# Altium PCB rv_ledbrick_8ch.PcbDoc (part 3 of 3)
Units mil, origin at the board's own origin, x right, y up, seen from the top; angles counter-clockwise.
Board outline 3346.46 x 3346.46 mil, 4 copper layers (Top Layer, Int1 (GND), Int2 (PWR), Bottom Layer), stack 53.912 mil thick; 212 components, 146 nets, 672 pads, 556 vias.
Unrouted connection lines stored in the file: 1.
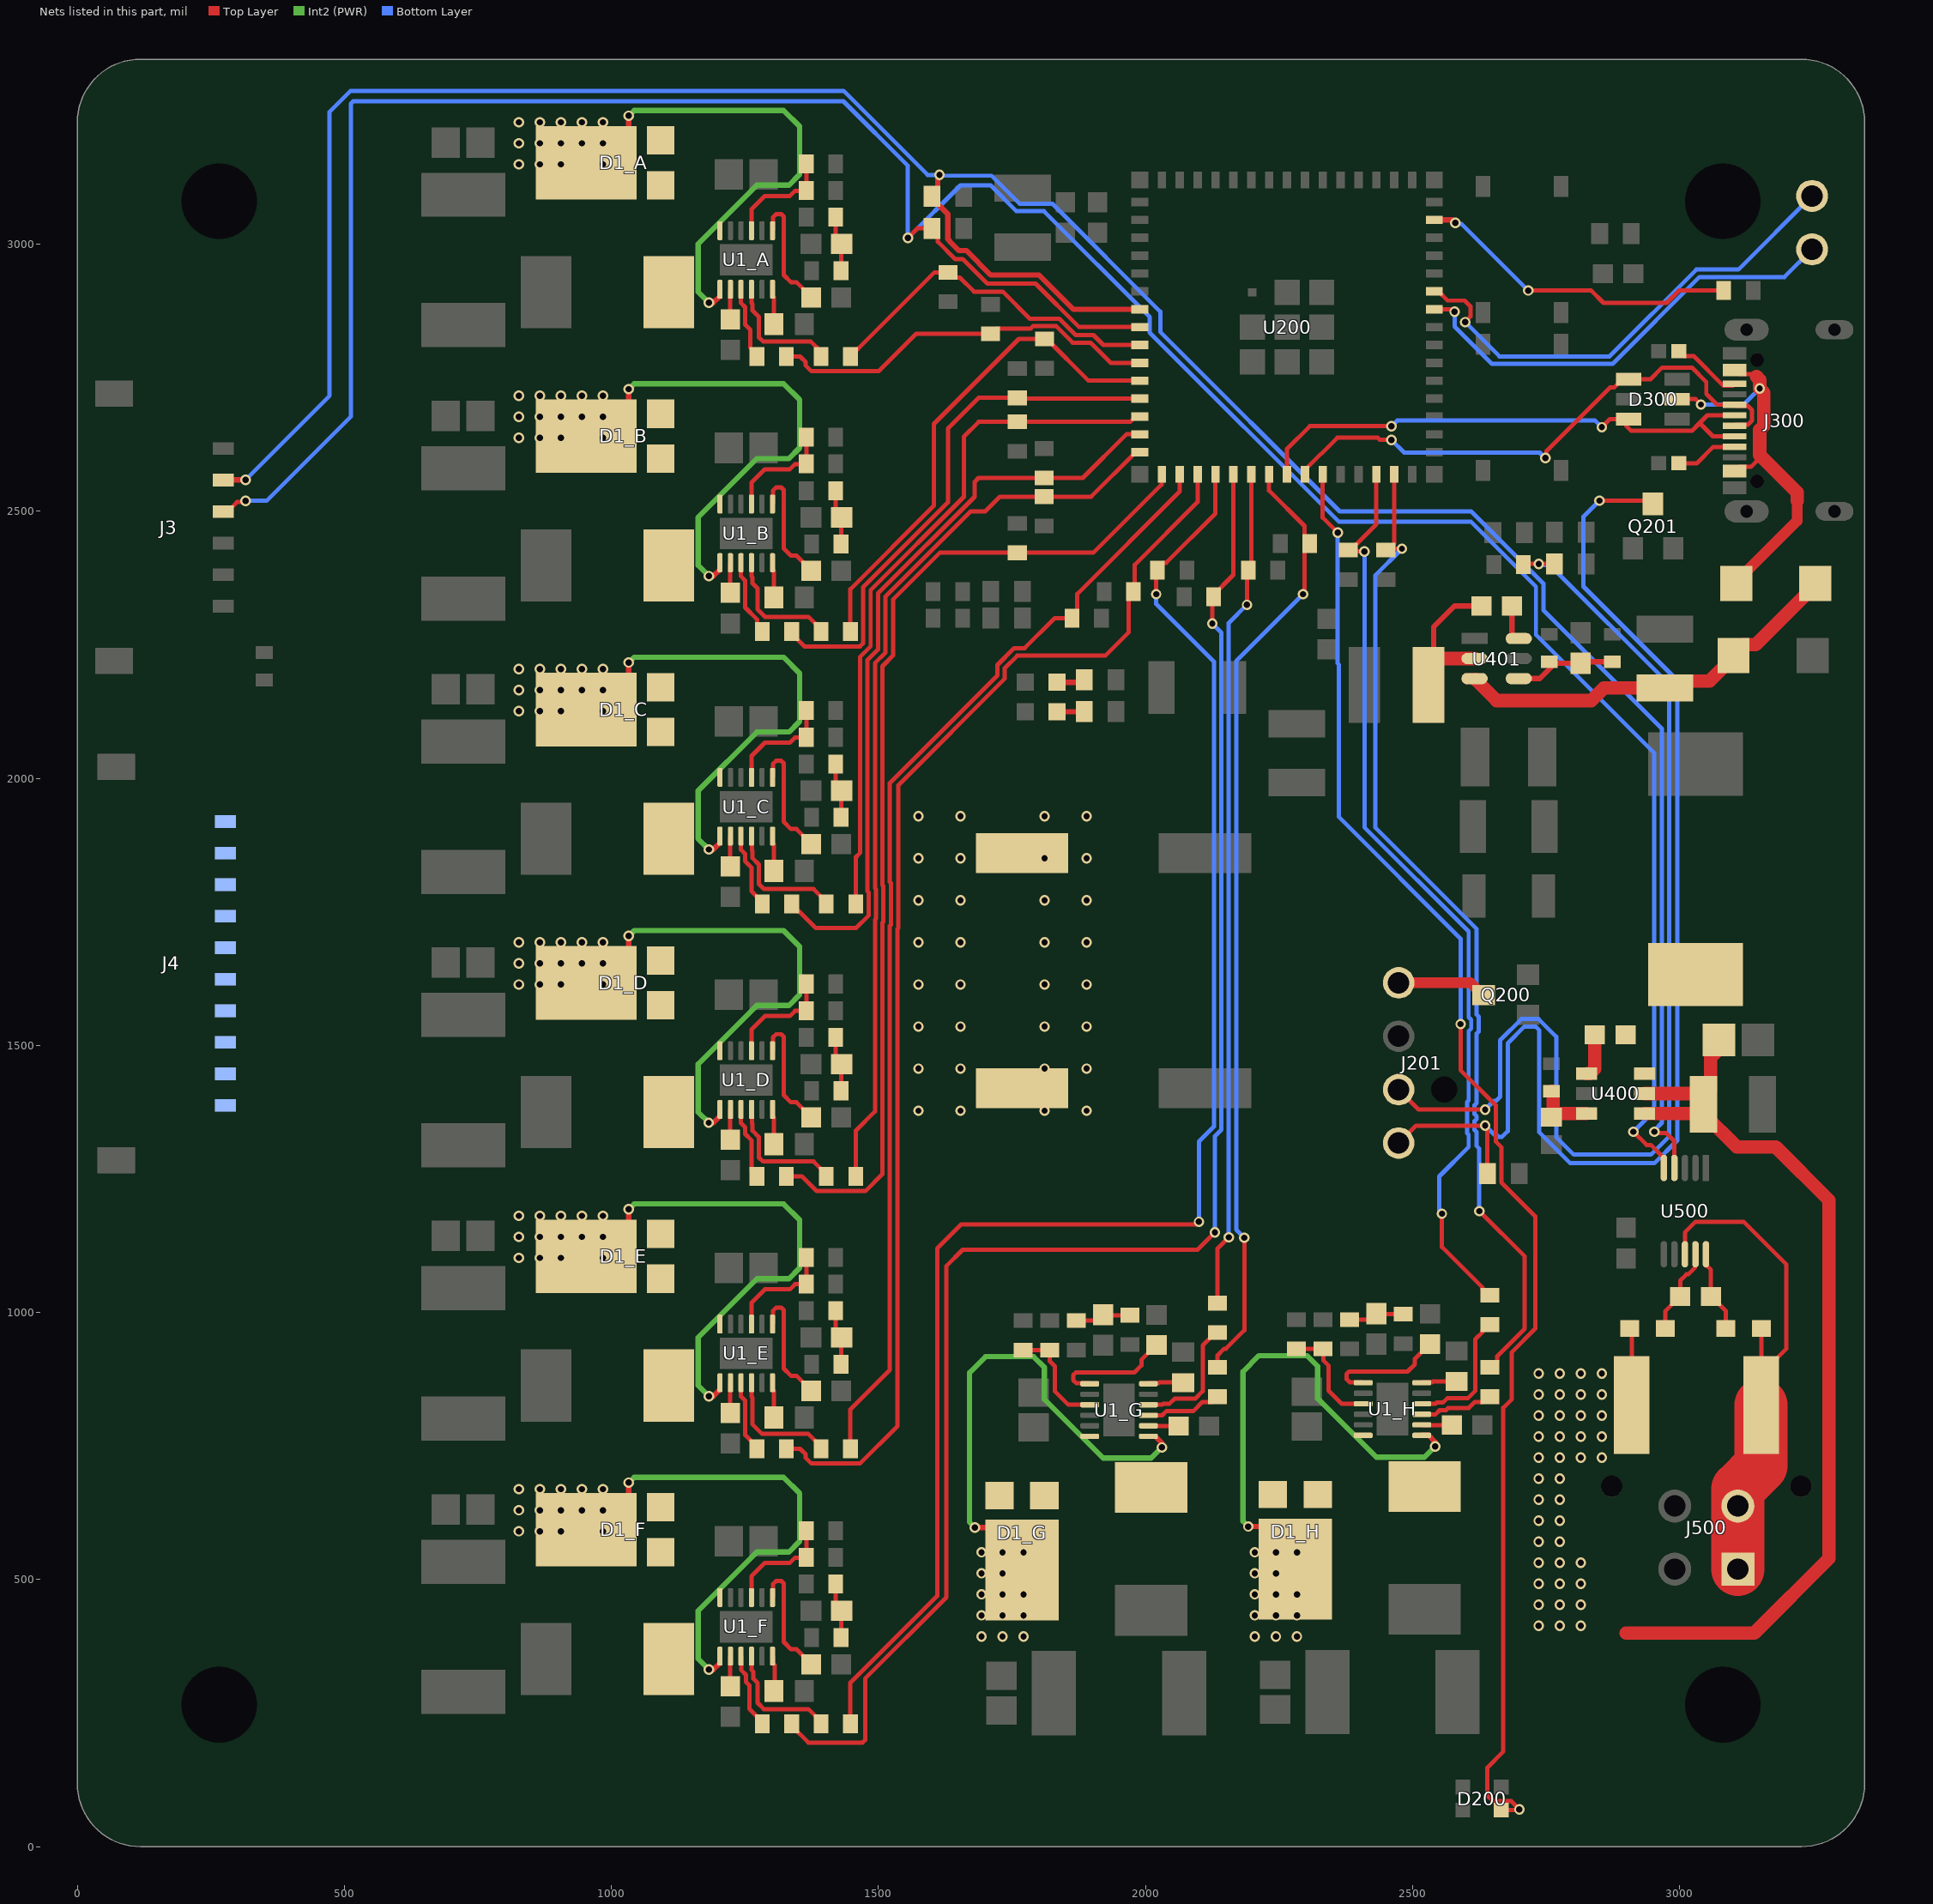
[diagram p5: the nets of this part, all layers, seen from the top]

## Via types
v1: diameter 19.68, hole 11.81, Top Layer to Bottom Layer, tented both sides, 556 vias

## Nets (pads, with @x,y where several pads share a name; then routed paths per layer and width w, separated by ;. In a path a pad name is that pad's centre, name@x,y a point inside that pad or via, vN(x,y) a via of type N, cw(c..) or ccw(c..) an arc to the next point about the centre after c; other vN are vias at no path point) (continued)
LEDAO1: R8_A.1 R200.2 U200.10 | length 740.5
  Top Layer w8: R8_A.1@1327.56,2790 1353.34,2790 1363.93,2779.41 1363.93,2772.87 1374.52,2762.28 1500.32,2762.28 1570.48,2832.44 R200.2@1710,2832.44 1719.78,2842.22 1784.77,2842.22 1789.16,2846.61 1832.88,2846.61 1863.54,2815.96 1896.87,2815.96 1934.8,2778.03 U200.10@1989.37,2778.03
LEDAO2: R8_B.1 R207.2 U200.12 | length 1001.3
  Top Layer w8: R8_B.1@1337.56,2275 1337.56,2271.06 1361.34,2247.28 1465.48,2247.28 1471.34,2253.14 1471.34,2358.26 1630,2516.93 1630,2655 1687.44,2712.44 R207.2@1760,2712.44 1761.34,2711.1 U200.12@1989.37,2711.1
LEDAO3: R8_C.1 R209.2 U200.14 | length 1416.3
  Top Layer w8: R8_C.1@1337.56,1765 1337.56,1761.06 1347.34,1751.28 1351.28,1751.28 1382.56,1720 1458.2,1720 1481.34,1743.14 1481.34,1786.86 1479.43,1788.76 1479.43,2221.64 1499.34,2241.54 1499.34,2346.67 1680,2527.33 1680,2555 1687.44,2562.44 R209.2@1810,2562.44 1882.44,2562.44 1964.17,2644.17 U200.14@1989.37,2644.17
LEDAO4: R8_D.1 R211.2 U200.16 | length 1901.6
  Top Layer w8: R8_D.1@1327.56,1255 1356.8,1255 1384.52,1227.28 1475.48,1227.28 1507.43,1259.24 1507.43,1729.64 1509.34,1731.54 1509.34,1798.46 1507.43,1800.36 1507.43,2210.04 1527.34,2229.95 1527.34,2335.07 1614.71,2422.44 R211.2@1760,2422.44 1902.44,2422.44 2030,2550 2030,2568.66 U200.16@2030.71,2569.37
LEDAO5: R8_E.1 R213.2 U200.18 | length 2363.8
  Top Layer w8: R8_E.1@1327.56,745 1353.34,745 1363.93,734.41 1363.93,727.87 1374.52,717.28 1465.48,717.28 1535.43,787.24 1535.43,1718.04 1537.34,1719.95 1537.34,1987.54 1736.69,2186.89 1736.69,2206.69 1759.84,2229.84 1924.84,2229.84 1968.66,2273.66 1968.66,2337.17 1980,2348.5 1980,2400 2097.64,2517.64 U200.18@2097.64,2569.37
LEDAO6: R8_F.1 R215.2 U200.20 | length 3083.3
  Top Layer w8: R8_F.1@1337.56,230 1337.56,226.06 1368.62,195 1470.31,195 1475,199.69 1475,314.68 1627.4,467.08 1627.4,1087.4 1657.6,1117.6 2097.6,1117.6 v1(2130,1150) ; v1(2125,2290) 2125,2341.38 2164.57,2380.94 U200.20@2164.57,2569.37
  Bottom Layer w8: v1(2125,2290) 2142,2273 2142,1342.2 2130,1330.2 v1(2130,1150)
LEDAO7: R8_G.1 R217.2 U200.22 | length 1789.1
  Top Layer w8: R8_G.1@2135,897.56 2135,920 2147.26,932.26 2150.46,932.26 2185,966.8 v1(2185,1140) ; U200.22@2231.5,2569.37 2231.5,2538.81 2297.78,2472.53 2297.78,2449.78 R217.2@2307.56,2440 2297.78,2430.22 2297.78,2349.88 2295,2347.1 v1(2295,2345)
  Bottom Layer w8: v1(2185,1140) 2170,1155 2170,2220 v1(2295,2345)
LEDAO8: R8_H.1 R219.2 U200.29 | length 1882.6
  Top Layer w8: R219.2@2450,2427.56 2453.94,2427.56 R219.2@2456.38,2430 ; U200.29@2465.75,2569.37 2465.75,2439.37 R219.2@2456.38,2430 ; v1(2480,2430) R219.2@2456.38,2430 ; v1(2625,1190) 2710,1105 2710,969.8 2658.72,918.52 2658.72,907.34 2648.94,897.56 R8_H.1@2645,897.56
  Bottom Layer w8: v1(2480,2430) 2430,2380 2430,1908.3 2620.16,1718.14 2620.16,1557.7 2623.84,1554.02 2623.84,1525.98 2620.16,1522.3 2620.16,1392.38 2616,1388.22 2616,1371.78 2620.16,1367.62 2620.16,1362.38 2616,1358.22 2616,1341.78 2620.16,1337.62 2620.16,1311.71 2625,1306.87 v1(2625,1190)
LEDPWM1: R9_A.1 R203.2 U200.9 | length 665.7
  Top Layer w8: R9_A.1@1447.56,2790 1447.56,2793.94 1457.34,2803.72 1461.28,2803.72 1605.12,2947.56 R203.2@1630,2947.56 1639.78,2937.78 1652.22,2937.78 1678.66,2911.34 1732.64,2911.34 1783.37,2860.61 1838.68,2860.61 1869.33,2829.96 1902.66,2829.96 1921.13,2811.5 U200.9@1989.37,2811.5
LEDPWM2: R9_B.1 R208.2 U200.11 | length 937.4
  Top Layer w8: R9_B.1@1447.56,2275 1447.56,2354.28 1603.78,2510.5 1603.78,2663.78 1762.83,2822.83 R208.2@1811.02,2822.83 1814.96,2822.83 1893.23,2744.57 U200.11@1989.37,2744.57
LEDPWM3: R9_C.1 R210.2 U200.13 | length 1303.8
  Top Layer w8: R9_C.1@1457.56,1765 1457.56,1852.47 1465.43,1860.35 1465.43,2227.44 1485.34,2247.34 1485.34,2352.47 1660,2527.13 1660,2640 1687.56,2667.56 R210.2@1760,2667.56 1971.42,2667.56 1981.5,2677.64 U200.13@1989.37,2677.64
LEDPWM4: R9_D.1 R212.2 U200.15 | length 1698.4
  Top Layer w8: R9_D.1@1457.56,1255 1457.56,1340.66 1493.43,1376.54 1493.43,1735.44 1495.34,1737.34 1495.34,1792.66 1493.43,1794.56 1493.43,2215.84 1513.34,2235.74 1513.34,2340.87 1672.47,2500 1700,2500 1727.56,2527.56 R212.2@1810,2527.56 1898.35,2527.56 1981.5,2610.71 U200.15@1989.37,2610.71
LEDPWM5: R9_E.1 R214.2 U200.17 | length 2112
  Top Layer w8: R9_E.1@1447.56,745 1447.56,818.85 1521.43,892.72 1521.43,1723.84 1523.34,1725.74 1523.34,1804.26 1521.43,1806.16 1521.43,1991.43 1722.69,2192.69 1722.69,2212.49 1754.04,2243.84 1773.84,2243.84 1830,2300 R214.2@1862.44,2300 1872.22,2309.78 1872.22,2345.42 2064.17,2537.37 U200.17@2064.17,2569.37
LEDPWM6: R9_F.1 R216.2 U200.19 | length 2973.9
  Top Layer w8: R9_F.1@1447.56,230 1447.56,307.04 1610,469.48 1610,1120 1655,1165 2095.31,1165 2100,1169.69 v1(2100,1170) ; v1(2020,2345) 2020,2387.56 R216.2@2022.44,2390 2022.44,2393.94 2032.22,2403.72 2038.99,2403.72 2131.1,2495.82 U200.19@2131.1,2569.37
  Bottom Layer w8: v1(2020,2345) 2020,2326.8 2128,2218.8 2128,1348 2100,1320 v1(2100,1170)
LEDPWM7: R9_G.1 R218.2 U200.21 | length 1577.9
  Top Layer w8: R9_G.1@2135,1017.56 2135,1120 2155.93,1140.93 v1(2155.93,1141) ; v1(2190,2325) 2190,2387.56 R218.2@2192.44,2390 2198.03,2395.59 U200.21@2198.03,2569.37
  Bottom Layer w8: v1(2155.93,1141) 2156,1141.07 2156,2291 v1(2190,2325)
LEDPWM8: R9_H.1 R220.2 U200.28 | length 1737.4
  Top Layer w8: R220.2@2380,2427.56 2383.94,2427.56 2432.28,2475.91 U200.28@2432.28,2569.37 ; R220.2@2382.56,2425 v1(2410,2425) ; v1(2555,1185) 2555,1122.56 2631.28,1046.28 2631.28,1042.34 2641.06,1032.56 R9_H.1@2645,1032.56
  Bottom Layer w8: v1(2410,2425) 2410,1908.5 2605,1713.5 2605,1553.06 2609.84,1548.22 2609.84,1531.78 2605,1526.94 2605,1397.02 2602,1394.02 2602,1335.98 2605,1332.98 2605,1310 2550,1255 2550,1190 v1(2555,1185)
NetC2_A_2: C2_A.2 U1_A.2 | length 60
  Top Layer w8: C2_A.2@1211.06,2860.63 1222.44,2872.01 1222.44,2915.24 U1_A.2@1222.91,2915.71
NetC2_B_2: C2_B.2 U1_B.2 | length 60
  Top Layer w8: C2_B.2@1211.06,2348.82 1222.44,2360.2 1222.44,2403.43 U1_B.2@1222.91,2403.9
NetC2_C_2: C2_C.2 U1_C.2 | length 60
  Top Layer w8: C2_C.2@1211.06,1837.01 1222.44,1848.39 1222.44,1891.61 U1_C.2@1222.91,1892.09
NetC2_D_2: C2_D.2 U1_D.2 | length 60
  Top Layer w8: C2_D.2@1211.06,1325.2 1222.44,1336.58 1222.44,1379.8 U1_D.2@1222.91,1380.28
NetC2_E_2: C2_E.2 U1_E.2 | length 60
  Top Layer w8: C2_E.2@1211.06,813.39 1222.44,824.76 1222.44,867.99 U1_E.2@1222.91,868.46
NetC2_F_2: C2_F.2 U1_F.2 | length 60
  Top Layer w8: C2_F.2@1211.06,301.57 1222.44,312.95 1222.44,356.18 U1_F.2@1222.91,356.65
NetC2_G_2: C2_G.2 U1_G.2 | length 60
  Top Layer w8: U1_G.2@2005.55,787.95 2006.02,787.48 2049.25,787.48 C2_G.2@2060.63,776.1
NetC2_H_2: C2_H.2 U1_H.2 | length 60
  Top Layer w8: U1_H.2@2517.36,789.84 2517.83,789.37 2561.06,789.37 C2_H.2@2572.44,777.99
NetC4_A_1: C4_A.1 R2_A.2 R3_A.2 | length 105
  Top Layer w8: R2_A.2@1420,3050.63 1420,3011.65 C4_A.1@1431.02,3000.63 1430,2999.61 R3_A.2@1430,2950.63
NetC4_B_1: C4_B.1 R2_B.2 R3_B.2 | length 105
  Top Layer w8: R2_B.2@1420,2538.82 1420,2499.84 C4_B.1@1431.02,2488.82 1430,2487.8 R3_B.2@1430,2438.82
NetC4_C_1: C4_C.1 R2_C.2 R3_C.2 | length 105
  Top Layer w8: R2_C.2@1420,2027.01 1420,1988.03 C4_C.1@1431.02,1977.01 1430,1975.99 R3_C.2@1430,1927.01
NetC4_D_1: C4_D.1 R2_D.2 R3_D.2 | length 105
  Top Layer w8: R2_D.2@1420,1515.2 1420,1476.22 C4_D.1@1431.02,1465.2 1430,1464.18 R3_D.2@1430,1415.2
NetC4_E_1: C4_E.1 R2_E.2 R3_E.2 | length 105
  Top Layer w8: R2_E.2@1420,1003.39 1420,964.4 C4_E.1@1431.02,953.39 1430,952.37 R3_E.2@1430,903.39
NetC4_F_1: C4_F.1 R2_F.2 R3_F.2 | length 105
  Top Layer w8: R2_F.2@1420,491.57 1420,452.59 C4_F.1@1431.02,441.57 1430,440.56 R3_F.2@1430,391.57
NetC4_G_1: C4_G.1 R2_G.2 R3_G.2 | length 105
  Top Layer w8: R2_G.2@1870.63,985.04 1909.61,985.04 C4_G.1@1920.63,996.06 1921.65,995.04 R3_G.2@1970.63,995.04
NetC4_H_1: C4_H.1 R2_H.2 R3_H.2 | length 105
  Top Layer w8: R2_H.2@2382.44,986.93 2421.42,986.93 C4_H.1@2432.44,997.95 2433.46,996.93 R3_H.2@2482.44,996.93
NetC401_1: C401.1 U400.1 | length 82.8
  Top Layer w25: U400.1@2825.87,1447.4 2832.36,1447.4 2841.38,1456.42 C401.1@2841.38,1520
NetC401_2: C401.2 L400.1 U400.6
NetC404_1: C404.1 U401.6 | length 70.8
  Top Layer w10: C404.1@2686.1,2322.83 2686.1,2266.87 2691.16,2261.81 U401.6@2698.83,2261.81
NetC404_2: C404.2 L401.1 U401.2 | length 237.1
  Top Layer w10: L401.1@2547.07,2224.41 2539.37,2232.11 2539.37,2283.46 2578.74,2322.83 C404.2@2628.86,2322.83
  Top Layer w25: L401.1@2547.07,2224.41 U401.2@2616.13,2224.41
NetC408_2: C408.2 R401.1 R403.2 U401.4 | length 188.2
  Top Layer w10: U401.4@2698.83,2187.01 2738.19,2187.01 2766.7,2215.52 C408.2@2814.96,2215.52 2817.95,2218.5 R403.2@2874.02,2218.5
NetC410_2: C410.2 D400.K D401.K U401.3 | length 762.9
  Top Layer w20: U401.3@2601.73,2186.57 2602.17,2187.01 U401.3@2616.13,2187.01
  Top Layer w25: U401.3@2618.11,2185.04 2657.48,2145.67 2834.65,2145.67 2858.27,2169.29 C410.2@2972.44,2169.29 2985.53,2182.38 3056.38,2182.38 3101,2227 D401.K@3101,2230 3101,2233 3118.5,2250.5 3142.5,2250.5 3254,2362 D400.K@3254,2365
NetC501_1: C501.1 R500.2 U500.10 | length 155.2
  Top Layer w8: U500.10@3049.37,1109.26 3049.37,1089.51 3058.62,1080.26 C501.1@3058.62,1030 3059.53,1030 3086.54,1002.99 R500.2@3086.54,970
NetC501_2: C501.2 R502.2 U500.9 | length 165.1
  Top Layer w8: R502.2@2973.46,970 2973.46,1002.99 3000.47,1030 C501.2@3001.38,1030 3001.38,1059.96 3013,1071.58 3016.4,1071.58 3028.86,1084.04 3028.86,1108.43 U500.9@3029.69,1109.26
NetD1_A_1: D1_A.1 D1_A.2 L1_A.1 U1_A.12
NetD1_B_1: D1_B.1 D1_B.2 L1_B.1 U1_B.12
NetD1_C_1: D1_C.1 D1_C.2 L1_C.1 U1_C.12
NetD1_D_1: D1_D.1 D1_D.2 L1_D.1 U1_D.12
NetD1_E_1: D1_E.1 D1_E.2 L1_E.1 U1_E.12
NetD1_F_1: D1_F.1 D1_F.2 L1_F.1 U1_F.12
NetD1_G_1: D1_G.1 D1_G.2 L1_G.1 U1_G.12
NetD1_H_1: D1_H.1 D1_H.2 L1_H.1 U1_H.12
NetJ201_1: J201.1 Q200.3 | length 168.6
  Top Layer w20: J201.1@2474.02,1617.32 2608.33,1617.32 2631.17,1594.49 Q200.3@2633.17,1594.49
NetJ201_3: J201.3 R221.1 R224.2 | length 2128.8
  Top Layer w8: J201.3@2474.02,1417.32 2511.34,1380 v1(2635.84,1380) ; R224.2@2704.72,2401.57 2735.24,2401.57 R221.1@2765.75,2401.57
  Bottom Layer w8: v1(2635.84,1380) 2652.04,1396.19 2656.19,1396.19 2664.17,1404.17 2664.17,1509.87 2703.73,1549.43 2736.16,1549.43 2769.03,1516.56 2769.03,1328.4 2801.9,1295.53 2946.13,1295.53 2980.76,1330.16 2980.76,2175.94 2757.35,2399.34 2738.52,2399.34 v1(2736.29,2401.57)
NetJ201_4: J201.4 Q201.3 R230.1 | length 2441
  Top Layer w8: J201.4@2474.02,1317.32 2506.69,1350 2640,1350 2640,1260.47 R230.1@2640.47,1260 ; v1(2850,2520) 2944,2520 Q201.3@2950,2514
  Bottom Layer w8: v1(2635.84,1350) 2652.04,1333.81 2656.19,1333.81 2660.98,1329.02 2667.61,1329.02 2678.17,1339.58 2678.17,1504.07 2709.53,1535.43 2730.36,1535.43 2737.38,1528.42 2737.38,1337.43 2795.28,1279.53 2952.76,1279.53 2995.76,1322.53 2995.76,2183.56 2820,2359.32 2820,2490 v1(2850,2520)
NetJ300_A5: J300.A5 R300.2 | length 116.9
  Top Layer w8: R300.2@2998.84,2590 3032.3,2590 3063.08,2620.79 J300.A5@3102.99,2620.79
NetJ300_B5: J300.B5 R301.2 | length 128
  Top Layer w8: R301.2@2998.84,2800 3008.08,2790.76 3026.64,2790.76 3082.28,2735.12 J300.B5@3100,2735.12
NetJ500_1: J500.1 J500.3 R500.1 R501.2 U500.8 | length 964.5
  Top Layer w8: U500.8@3010,1109.26 3010,1150 3030,1170 3120,1170 3200,1090 3200,932.28 R501.2@3153.46,885.75 ; R501.2@3152.56,826.77 3152.56,884.84 R501.2@3153.46,885.75 ; R500.1@3153.46,970 R501.2@3153.46,885.75
  Top Layer w50: J500.3@3109.06,637.72 J500.3@3109.06,640.91
  Top Layer w100: J500.1@3109.06,519.61 J500.3@3109.06,637.72 ; J500.3@3109.06,640.91 3109.06,669.64 3152.56,713.14 R501.2@3152.56,826.77
NetLED200_A: LED200.A R205.1 | length 53
  Top Layer w10: LED200.A@1834.53,2180 1880.47,2180 R205.1@1885.47,2185
NetLED201_A: LED201.A R206.1 | length 50.9
  Top Layer w10: LED201.A@1834.53,2125 R206.1@1885.47,2125
NetR5_A_2: R5_A.2 U1_A.7 | length 228.8
  Top Layer w8: U1_A.7@1301.65,3025.55 1302.44,3026.34 1302.44,3050.63 1308.44,3056.63 1317.91,3056.63 1322.6,3051.94 1322.6,2942.41 1336.02,2928.99 1346.45,2928.99 1374.28,2901.16 R5_A.2@1374.28,2900.63
NetR5_B_2: R5_B.2 U1_B.7 | length 228.8
  Top Layer w8: U1_B.7@1301.65,2513.74 1302.44,2514.53 1302.44,2538.82 1308.44,2544.82 1317.91,2544.82 1322.6,2540.13 1322.6,2430.6 1336.02,2417.18 1346.45,2417.18 1374.28,2389.35 R5_B.2@1374.28,2388.82
NetR5_C_2: R5_C.2 U1_C.7 | length 228.8
  Top Layer w8: U1_C.7@1301.65,2001.93 1302.44,2002.72 1302.44,2027.01 1308.44,2033.01 1317.91,2033.01 1322.6,2028.32 1322.6,1918.79 1336.02,1905.37 1346.45,1905.37 1374.28,1877.54 R5_C.2@1374.28,1877.01
NetR5_D_2: R5_D.2 U1_D.7 | length 228.8
  Top Layer w8: U1_D.7@1301.65,1490.12 1302.44,1490.91 1302.44,1515.2 1308.44,1521.2 1317.91,1521.2 1322.6,1516.51 1322.6,1406.98 1336.02,1393.56 1346.45,1393.56 1374.28,1365.73 R5_D.2@1374.28,1365.2
NetR5_E_2: R5_E.2 U1_E.7 | length 228.8
  Top Layer w8: U1_E.7@1301.65,978.31 1302.44,979.09 1302.44,1003.39 1308.44,1009.39 1317.91,1009.39 1322.6,1004.7 1322.6,895.17 1336.02,881.75 1346.45,881.75 1374.28,853.92 R5_E.2@1374.28,853.39
NetR5_F_2: R5_F.2 U1_F.7 | length 228.8
  Top Layer w8: U1_F.7@1301.65,466.5 1302.44,467.28 1302.44,491.57 1308.44,497.57 1317.91,497.57 1322.6,492.89 1322.6,383.36 1336.02,369.94 1346.45,369.94 1374.28,342.11 R5_F.2@1374.28,341.57
NetR5_G_2: R5_G.2 U1_G.7 | length 228.8
  Top Layer w8: U1_G.7@1895.71,866.69 1894.92,867.48 1870.63,867.48 1864.63,873.48 1864.63,882.95 1869.32,887.64 1978.85,887.64 1992.27,901.06 1992.27,911.49 2020.1,939.32 R5_G.2@2020.63,939.32
NetR5_H_2: R5_H.2 U1_H.7 | length 228.8
  Top Layer w8: U1_H.7@2407.52,868.58 2406.73,869.37 2382.44,869.37 2376.44,875.37 2376.44,884.84 2381.13,889.53 2490.66,889.53 2504.08,902.95 2504.08,913.38 2531.91,941.21 R5_H.2@2532.44,941.21
NetR6_A_2: R6_A.2 U1_A.6 | length 66.2
  Top Layer w8: U1_A.6@1301.65,2915.71 1301.65,2902.91 1304.08,2900.49 1304.08,2850.81 R6_A.2@1303.9,2850.63
NetR6_B_2: R6_B.2 U1_B.6 | length 66.2
  Top Layer w8: U1_B.6@1301.65,2403.9 1301.65,2391.1 1304.08,2388.67 1304.08,2339 R6_B.2@1303.9,2338.82
NetR6_C_2: R6_C.2 U1_C.6 | length 66.2
  Top Layer w8: U1_C.6@1301.65,1892.09 1301.65,1879.29 1304.08,1876.86 1304.08,1827.19 R6_C.2@1303.9,1827.01
NetR6_D_2: R6_D.2 U1_D.6 | length 66.2
  Top Layer w8: U1_D.6@1301.65,1380.28 1301.65,1367.48 1304.08,1365.05 1304.08,1315.38 R6_D.2@1303.9,1315.2
NetR6_E_2: R6_E.2 U1_E.6 | length 66.2
  Top Layer w8: U1_E.6@1301.65,868.46 1301.65,855.67 1304.08,853.24 1304.08,803.57 R6_E.2@1303.9,803.39
NetR6_F_2: R6_F.2 U1_F.6 | length 67.4
  Top Layer w8: U1_F.6@1301.65,356.65 1302.57,355.73 1302.57,342.94 1305.57,339.94 1305.57,293.25 R6_F.2@1303.9,291.57
NetR6_G_2: R6_G.2 U1_G.6 | length 66.2
  Top Layer w8: U1_G.6@2005.55,866.69 2006.47,867.61 2024.51,867.61 2026.02,869.12 2070.45,869.12 R6_G.2@2070.63,868.94
NetR6_H_2: R6_H.2 U1_H.6 | length 66.2
  Top Layer w8: U1_H.6@2517.36,868.58 2518.28,869.5 2536.32,869.5 2537.83,871.01 2582.26,871.01 R6_H.2@2582.44,870.83
NetR8_A_2: R8_A.2 U1_A.3 | length 132.6
  Top Layer w8: U1_A.3@1242.6,2915.71 1242.6,2890.05 1250.4,2882.26 1250.4,2849.6 1260,2840 1260,2806.38 R8_A.2@1271.38,2795
NetR8_B_2: R8_B.2 U1_B.3 | length 145.4
  Top Layer w8: U1_B.3@1242.6,2403.9 1242.6,2378.24 1250.4,2370.44 1250.4,2319.99 1272.66,2297.73 1272.66,2284.78 R8_B.2@1282.44,2275
NetR8_C_2: R8_C.2 U1_C.3 | length 143.6
  Top Layer w8: U1_C.3@1242.6,1892.09 1242.6,1866.43 1250.4,1858.63 1250.4,1844.91 1262.18,1833.13 1262.18,1789.2 1282.44,1768.94 R8_C.2@1282.44,1765
NetR8_D_2: R8_D.2 U1_D.3 | length 137.6
  Top Layer w8: U1_D.3@1242.6,1380.28 1242.6,1354.62 1250.4,1346.82 1250.4,1334.53 1262.18,1322.74 1262.18,1284.59 1262.66,1284.11 1262.66,1264.78 R8_D.2@1272.44,1255
NetR8_E_2: R8_E.2 U1_E.3 | length 135.8
  Top Layer w8: U1_E.3@1242.6,868.46 1242.6,842.81 1250.4,835.01 1250.4,770.98 1272.44,748.94 R8_E.2@1272.44,745
NetR8_F_2: R8_F.2 U1_F.3 | length 143.2
  Top Layer w8: U1_F.3@1242.6,356.65 1243.52,355.73 1243.52,330.08 1251.9,321.7 1251.9,308.5 1258.09,302.31 1258.09,258.29 1282.44,233.94 R8_F.2@1282.44,230
NetR8_G_2: R8_G.2 U1_G.3 | length 143.9
  Top Layer w8: U1_G.3@2005.55,807.64 2031.21,807.64 2039,815.44 2089.46,815.44 2106.68,832.66 2125.22,832.66 R8_G.2@2135,842.44
NetR8_H_2: R8_H.2 U1_H.3 | length 141.3
  Top Layer w8: U1_H.3@2517.36,809.53 2543.02,809.53 2550.82,817.33 2562.58,817.33 2566.35,821.09 2605.04,821.09 2616.6,832.66 2631.28,832.66 2641.06,842.44 R8_H.2@2645,842.44
NetR9_A_2: R9_A.2 U1_A.4 | length 227
  Top Layer w8: U1_A.4@1262.28,2915.71 1262.28,2890.17 1264.4,2888.05 1264.4,2875.8 1276.18,2864.02 1276.18,2825.82 1284.28,2817.72 1373.66,2817.72 1392.44,2798.94 R9_A.2@1392.44,2795
NetR9_B_2: R9_B.2 U1_B.4 | length 230.4
  Top Layer w8: U1_B.4@1262.28,2403.9 1262.28,2378.36 1264.4,2376.24 1264.4,2365 1273.6,2355.8 1273.6,2316.59 1287.47,2302.72 1368.66,2302.72 1392.44,2278.94 R9_B.2@1392.44,2275
NetR9_C_2: R9_C.2 U1_C.4 | length 239.6
  Top Layer w8: U1_C.4@1262.28,1892.09 1263.2,1891.17 1263.2,1865.62 1264.4,1864.43 1264.4,1850.71 1276.18,1838.93 1276.18,1802.2 1285.66,1792.72 1378.66,1792.72 1402.44,1768.94 R9_C.2@1402.44,1765
NetR9_D_2: R9_D.2 U1_D.4 | length 238.9
  Top Layer w8: U1_D.4@1262.28,1380.28 1263.2,1379.35 1263.2,1353.81 1264.4,1352.62 1264.4,1340.33 1276.18,1328.54 1276.18,1290.39 1283.85,1282.72 1378.66,1282.72 1402.44,1258.94 R9_D.2@1402.44,1255
NetR9_E_2: R9_E.2 U1_E.4 | length 228.1
  Top Layer w8: U1_E.4@1262.28,868.46 1262.28,842.92 1264.4,840.81 1264.4,790.36 1282.04,772.72 1368.66,772.72 1392.44,748.94 R9_E.2@1392.44,745
NetR9_F_2: R9_F.2 U1_F.4 | length 229.4
  Top Layer w8: U1_F.4@1262.28,356.65 1262.28,331.11 1265.9,327.5 1265.9,314.3 1273.6,306.6 1273.6,269.35 1285.23,257.72 1368.66,257.72 1392.44,233.94 R9_F.2@1392.44,230
NetR9_G_2: R9_G.2 U1_G.4 | length 235.6
  Top Layer w8: U1_G.4@2005.55,827.32 2031.09,827.32 2033.21,829.44 2045.18,829.44 2054.38,838.64 2092.86,838.64 2107.07,852.85 2107.07,938.45 2131.06,962.44 R9_G.2@2135,962.44
NetR9_H_2: R9_H.2 U1_H.4 | length 247.9
  Top Layer w8: U1_H.4@2517.36,829.21 2542.9,829.21 2545.02,831.33 2556.78,831.33 2565.45,840 2604.14,840 2617.28,853.14 2617.28,949.72 2631.28,963.72 2631.28,967.66 2641.06,977.44 R9_H.2@2645,977.44
NetR225_2: R225.2 U200.44 | length 616.2
  Top Layer w8: v1(2716.54,2913.39) 2834.52,2913.39 2857.74,2890.16 2975.73,2890.16 2998.95,2913.39 R225.2@3082.68,2913.39
  Top Layer w10: U200.44@2540.55,3045.75 2574.25,3045.75 v1(2580,3040)
  Bottom Layer w8: v1(2580,3040) 2582.24,3037.76 2592.16,3037.76 v1(2716.54,2913.39)
NetR400_1: R400.1 R402.2 U400.3 | length 103.9
  Top Layer w25: R400.1@2760,1414.41 2762.56,1414.41 2763.25,1413.72 2763.25,1378.33 2768.98,1372.6 U400.3@2825.87,1372.6
RX: J200.2 U200.40 | length 913.6
  Top Layer w8: U200.40@2540.55,2911.89 2548.43,2911.89 2565.6,2894.72 2597.41,2894.72 2608.39,2883.74 2608.39,2864.86 2598.43,2854.9 v1(2598.43,2854.33)
  Bottom Layer w8: v1(2598.43,2854.33) 2662.6,2790.16 2868.9,2790.16 3031.5,2952.76 3110.24,2952.76 J200.2@3248.03,3090.55
SCL: J3.3 R201.1 U200.8 U500.5 | length 5425.5
  Top Layer w8: J3.3@272.99,2499.53 280.87,2499.53 298.79,2517.45 312.72,2517.45 v1(314.96,2519.68) ; v1(1555.12,3011.81) 1573.31,3030 R201.1@1600.47,3030 1611.22,3019.25 1611.22,3004.69 1643.57,2972.34 1657.95,2972.34 1703.95,2926.34 1794.17,2926.34 1875.55,2844.96 U200.8@1989.37,2844.96 ; v1(2913.39,1338.58) 2938.21,1313.75 2946.2,1313.75 2969.22,1290.73 2969.22,1272.15 U500.5@2970.63,1270.74
  Bottom Layer w8: v1(314.96,2519.68) 354.33,2519.68 511.87,2677.22 511.87,3263.03 516.55,3267.72 1434.42,3267.72 1555.12,3147.02 v1(1555.12,3011.81) 1653.54,3110.24 1710.17,3110.24 1758.4,3062 1810,3062 2007.87,2864.12 2007.87,2834.65 2362.2,2480.32 2609.69,2480.32 2731.13,2358.87 2731.13,2268.87 2952.76,2047.24 2952.76,1377.95 v1(2913.39,1338.58)
SDA: J3.2 R202.1 U200.7 U500.4 | length 5268.8
  Top Layer w8: v1(2952.76,1338.58) 2954.91,1336.43 2974.6,1336.43 2990.32,1320.71 U500.4@2990.32,1270.74
  Top Layer w10: J3.2@280.87,2558.58 J3.2@272.99,2558.58 273.23,2558.82 314.72,2558.82 v1(314.96,2559.06) ; v1(1614.17,3129.92) 1614.17,3128.37 1611.22,3125.41 1611.22,3100.75 R202.1@1600.47,3090 1600.47,3086.06 1630,3056.54 1630,3010 1632.78,3007.22 1632.78,3005.76 1639.22,2999.31 1650.2,2988.34 1664.57,2988.34 1710.57,2942.34 1800.8,2942.34 1864.71,2878.43 U200.7@1989.37,2878.43
  Bottom Layer w8: v1(314.96,2559.06) 472.44,2716.54 472.44,3248.03 511.81,3287.4 1434.54,3287.4 1592.02,3129.92 v1(1614.17,3129.92) 1615.66,3128.44 1711.76,3128.44 1764.2,3076 1825.57,3076 2027.56,2874.02 2027.56,2836.17 2363.73,2500 2609.8,2500 2745.13,2364.67 2745.13,2314.87 2966.76,2093.24 2966.76,1355.47 2952.76,1341.47 v1(2952.76,1338.58)
TX: J200.1 U200.39 | length 855.2
  Top Layer w8: U200.39@2540.55,2878.43 2574.33,2878.43 v1(2578.74,2874.02)
  Bottom Layer w8: v1(2578.74,2874.02) 2578.58,2873.86 2578.58,2846.11 2648.54,2776.16 2874.7,2776.16 3037.3,2938.76 3196.24,2938.76 J200.1@3248.03,2990.55
USBDN: D300.3 J300.A7 J300.B7 U200.23 | length 1015.3
  Top Layer w8: U200.23@2264.96,2569.37 2264.96,2616.93 2307.57,2659.54 v1(2460.63,2659.54) ; v1(2854.33,2657.48) 2869.45,2672.6 D300.3@2904.72,2672.6 ; 2900,2660 2909.21,2650.79 3023.04,2650.79 3037.57,2665.32 ; J300.B7@3102.99,2640.47 3062.41,2640.47 3037.57,2665.32 ; J300.A7@3102.99,2679.84 3052.09,2679.84 3037.57,2665.32
  Bottom Layer w8: v1(2460.63,2659.54) 2460.7,2659.54 2471.16,2670 2841.81,2670 v1(2854.33,2657.48)
USBDP: D300.1 J300.A6 J300.B6 U200.24 | length 1064.3
  Top Layer w8: U200.24@2298.43,2569.37 2298.43,2577.24 2358.98,2637.8 2434.79,2637.8 2438.72,2633.86 v1(2460.63,2633.86) ; v1(2748.61,2600.08) 2750.69,2602.16 2750.69,2612.89 2869.61,2731.81 2877.32,2731.81 2892.91,2747.4 D300.1@2904.72,2747.4 2945.7,2747.4 2967.51,2769.21 3023.04,2769.21 3050,2742.25 3050,2720 3070.47,2699.53 J300.B6@3102.99,2699.53 3104.9,2697.62 3127.7,2697.62 3135.43,2689.89 3135.43,2669.79 3127.7,2662.06 3104.9,2662.06 J300.A6@3102.99,2660.16
  Bottom Layer w8: v1(2460.63,2633.86) 2484.49,2610 2738.08,2610 2747.99,2600.08 v1(2748.61,2600.08)
UVP_A: R4_A.1 R7_A.2 U1_A.9 | length 207.1
  Top Layer w8: U1_A.9@1262.28,3025.55 1262.44,3025.71 1262.44,3065.74 1287.33,3090.63 1334.18,3090.63 1343.79,3100.24 1364.49,3100.24 R7_A.2@1364.88,3100.63 R4_A.1@1364.88,3150.63
UVP_B: R4_B.1 R7_B.2 U1_B.9 | length 207.1
  Top Layer w8: U1_B.9@1262.28,2513.74 1262.44,2513.9 1262.44,2553.93 1287.33,2578.82 1334.18,2578.82 1343.79,2588.43 1364.49,2588.43 R7_B.2@1364.88,2588.82 R4_B.1@1364.88,2638.82
UVP_C: R4_C.1 R7_C.2 U1_C.9 | length 207.1
  Top Layer w8: U1_C.9@1262.28,2001.93 1262.44,2002.09 1262.44,2042.12 1287.33,2067.01 1334.18,2067.01 1343.79,2076.62 1364.49,2076.62 R7_C.2@1364.88,2077.01 R4_C.1@1364.88,2127.01
UVP_D: R4_D.1 R7_D.2 U1_D.9 | length 207.1
  Top Layer w8: U1_D.9@1262.28,1490.12 1262.44,1490.28 1262.44,1530.31 1287.33,1555.2 1334.18,1555.2 1343.79,1564.8 1364.49,1564.8 R7_D.2@1364.88,1565.2 R4_D.1@1364.88,1615.2
UVP_E: R4_E.1 R7_E.2 U1_E.9 | length 207.1
  Top Layer w8: U1_E.9@1262.28,978.31 1262.44,978.46 1262.44,1018.5 1287.33,1043.39 1334.18,1043.39 1343.79,1052.99 1364.49,1052.99 R7_E.2@1364.88,1053.39 R4_E.1@1364.88,1103.39
UVP_F: R4_F.1 R7_F.2 U1_F.9 | length 207.1
  Top Layer w8: U1_F.9@1262.28,466.5 1262.44,466.65 1262.44,506.69 1287.33,531.57 1334.18,531.57 1343.79,541.18 1364.49,541.18 R7_F.2@1364.88,541.57 R4_F.1@1364.88,591.57
UVP_G: R4_G.1 R7_G.2 U1_G.9 | length 207.1
  Top Layer w8: R4_G.1@1770.63,929.92 R7_G.2@1820.63,929.92 1821.02,929.53 1821.02,908.83 1830.63,899.22 1830.63,852.37 1855.52,827.48 1895.55,827.48 U1_G.9@1895.71,827.32
UVP_H: R4_H.1 R7_H.2 U1_H.9 | length 207.1
  Top Layer w8: R4_H.1@2282.44,931.81 R7_H.2@2332.44,931.81 2332.83,931.42 2332.83,910.72 2342.44,901.11 2342.44,854.26 2367.33,829.37 2407.36,829.37 U1_H.9@2407.52,829.21
VBUS: D300.5 D400.A J300.A4_B9 J300.B4_A9 | length 747.1
  Top Layer w8: D300.5@2995.28,2710 3030,2710 v1(3040,2700) ; J300.A4_B9@3102.99,2575.51 3110.8,2583.32 3133.32,2583.32 3150,2600 ; J300.B4_A9@3102.99,2764.49 3110.8,2756.68 3139.72,2756.68 3143.91,2752.48
  Top Layer w20: D400.A@3106,2365 3106,2368 3220,2482 3220,2520
  Top Layer w25: 3143.91,2752.48 3150,2746.4 v1(3150,2730) 3157.93,2722.07 3157.93,2660.48 3150,2652.54 3150,2605.62 3220,2535.62 3220,2520
  Bottom Layer w8: v1(3040,2700) 3120,2700 v1(3150,2730)
VIN: C5.2 C6.2 C400.2 C402.2 D1_A.3 D1_B.3 D1_C.3 D1_D.3 D1_E.3 D1_F.3 D1_G.3 D1_H.3 J4.1 J4.2 J4.3 J4.4 J4.5 J4.6 J4.7 J4.8 J4.9 J4.10 R501.1 R502.1 U1_A.1 U1_B.1 U1_C.1 U1_D.1 U1_E.1 U1_F.1 U1_G.1 U1_H.1 U400.4 U400.5 | length 9654.5
  Top Layer w8: R502.1@2906.54,970 2910.43,966.1 R501.1@2910.43,826.77
  Top Layer w10: D1_E.3@952.68,1105.32 968.54,1105.32 1032.44,1169.21 v1(1032.44,1193.39) ; D1_C.3@952.68,2128.94 968.54,2128.94 1032.44,2192.83 v1(1032.44,2217.01) ; D1_B.3@952.68,2640.75 968.54,2640.75 1032.44,2704.65 v1(1032.44,2728.82) ; D1_A.3@952.68,3152.56 968.54,3152.56 1032.44,3216.46 v1(1032.44,3240.63) ; v1(1032.44,681.57) 1032.44,657.4 D1_F.3@968.54,593.5 ; v1(1032.44,1705.2) 1032.44,1681.02 D1_D.3@968.54,1617.13 ; v1(1182.23,1355.32) 1182.35,1355.2 1190.79,1355.2 1203.23,1367.64 U1_D.1@1203.23,1380.28 ; v1(1182.44,331.57) 1190.79,331.57 1203.23,344.02 U1_F.1@1203.23,356.65 ; v1(1182.44,843.39) 1190.79,843.39 1203.23,855.83 U1_E.1@1203.23,868.46 ; v1(1182.44,1867.01) 1190.79,1867.01 1203.23,1879.45 U1_C.1@1203.23,1892.09 ; v1(1182.44,2378.82) 1190.79,2378.82 1203.23,2391.26 U1_B.1@1203.23,2403.9 ; v1(1182.44,2890.63) 1190.79,2890.63 1203.23,2903.07 U1_A.1@1203.23,2915.71 ; v1(1680.63,597.48) 1704.8,597.48 1768.7,533.58 D1_G.3@1768.7,517.72 ; D1_G.3@1768.7,519.61 D1_G.3@1768.7,535.47 ; U1_G.1@2005.55,768.27 2018.19,768.27 2030.63,755.83 v1(2030.63,747.48) ; v1(2192.44,599.37) 2216.61,599.37 D1_H.3@2280.51,535.47 ; U1_H.1@2517.36,770.16 2530,770.16 2542.44,757.72 v1(2542.44,749.37) ; D1_F.3@968.54,593.5 D1_F.3@952.68,593.5 D1_F.3@968.54,593.5 ; D1_D.3@968.54,1617.13 D1_D.3@952.68,1617.13 D1_D.3@968.54,1617.13 ; D1_H.3@2280.51,535.47 D1_H.3@2280.51,519.61 D1_H.3@2280.51,535.47
  Top Layer w25: 2900,400 3140,400 3280,540 3280,1210 3180,1310 3107.32,1310 3044.88,1372.44 3044.88,1385.69 3038.26,1379.07 3031.79,1372.6 U400.4@2934.13,1372.6 ; U400.5@2934.13,1410 3034.88,1410 3044.88,1400 3057.97,1413.09 3057.97,1477.5 3080.47,1500 C400.2@3081.38,1500 ; C402.2@3044.88,1375.69 C402.2@3044.88,1390
  Int2 (PWR) w10: v1(1032.44,681.57) 1042.44,691.57 1322.44,691.57 1352.44,661.57 1352.44,571.57 1332.44,551.57 1272.44,551.57 1162.44,441.57 1162.44,351.57 v1(1182.44,331.57) ; v1(1032.44,1193.39) 1042.44,1203.39 1322.44,1203.39 1352.44,1173.39 1352.44,1083.39 1332.44,1063.39 1272.44,1063.39 1162.44,953.39 1162.44,863.39 v1(1182.44,843.39) ; v1(1032.44,1705.2) 1042.44,1715.2 1322.44,1715.2 1352.44,1685.2 1352.44,1595.2 1332.44,1575.2 1272.44,1575.2 1162.44,1465.2 1162.44,1375.2 1182.23,1355.41 v1(1182.23,1355.32) ; v1(1032.44,2217.01) 1042.44,2227.01 1322.44,2227.01 1352.44,2197.01 1352.44,2107.01 1332.44,2087.01 1272.44,2087.01 1162.44,1977.01 1162.44,1887.01 v1(1182.44,1867.01) ; v1(1032.44,2728.82) 1042.44,2738.82 1322.44,2738.82 1352.44,2708.82 1352.44,2618.82 1332.44,2598.82 1272.44,2598.82 1162.44,2488.82 1162.44,2398.82 v1(1182.44,2378.82) ; v1(1032.44,3240.63) 1042.44,3250.63 1322.44,3250.63 1352.44,3220.63 1352.44,3130.63 1332.44,3110.63 1272.44,3110.63 1162.44,3000.63 1162.44,2910.63 v1(1182.44,2890.63) ; v1(1680.63,597.48) 1670.63,607.48 1670.63,887.48 1700.63,917.48 1790.63,917.48 1810.63,897.48 1810.63,837.48 1920.63,727.48 2010.63,727.48 v1(2030.63,747.48) ; v1(2192.44,599.37) 2182.44,609.37 2182.44,889.37 2212.44,919.37 2302.44,919.37 2322.44,899.37 2322.44,839.37 2432.44,729.37 2522.44,729.37 v1(2542.44,749.37)
  other v1: 1692.91,393.7 1732.28,393.7 1771.65,393.7 2204.72,393.7 2244.09,393.7 2283.46,393.7 2736.22,413.39 2775.59,413.39 2814.96,413.39 1692.91,433.07 1732.28,433.07 1771.65,433.07 2204.72,433.07 2244.09,433.07 2283.46,433.07 2736.22,452.76 2775.59,452.76 2814.96,452.76 1692.91,472.44 1732.28,472.44 1771.65,472.44 2204.72,472.44 2244.09,472.44 2283.46,472.44 2736.22,492.13 2775.59,492.13 2814.96,492.13 1692.91,511.81 1732.28,511.81 2204.72,511.81 2244.09,511.81 2736.22,531.5 2775.59,531.5 2814.96,531.5 1692.91,551.18 1732.28,551.18 1771.65,551.18 2204.72,551.18 2244.09,551.18 2283.46,551.18 2736.22,570.87 2775.59,570.87 826.77,590.55 866.14,590.55 905.51,590.55 984.25,590.55 2736.22,610.24 2775.59,610.24 826.77,629.92 866.14,629.92 905.51,629.92 944.88,629.92 984.25,629.92 2736.22,649.61 2775.59,649.61 826.77,669.29 866.14,669.29 905.51,669.29 944.88,669.29 984.25,669.29 2736.22,688.98 2775.59,688.98 2736.22,728.35 2775.59,728.35 2814.96,728.35 2854.33,728.35 2736.22,767.72 2775.59,767.72 2814.96,767.72 2854.33,767.72 2736.22,807.09 2775.59,807.09 2814.96,807.09 2854.33,807.09 2736.22,846.46 2775.59,846.46 2814.96,846.46 2854.33,846.46 2736.22,885.83 2775.59,885.83 2814.96,885.83 2854.33,885.83 826.77,1102.36 866.14,1102.36 905.51,1102.36 984.25,1102.36 826.77,1141.73 866.14,1141.73 905.51,1141.73 944.88,1141.73 984.25,1141.73 826.77,1181.1 866.14,1181.1 905.51,1181.1 944.88,1181.1 984.25,1181.1 1574.84,1377.95 1653.54,1377.95 1811.02,1377.95 1889.76,1377.95 1574.84,1456.69 1653.54,1456.69 1811.02,1456.69 1889.76,1456.69 1574.84,1535.43 1653.54,1535.43 1811.02,1535.43 1889.76,1535.43 826.77,1614.17 866.14,1614.17 905.51,1614.17 984.25,1614.17 1574.84,1614.17 1653.54,1614.17 1811.02,1614.17 1889.76,1614.17 826.77,1653.54 866.14,1653.54 905.51,1653.54 944.88,1653.54 984.25,1653.54 826.77,1692.91 866.14,1692.91 905.51,1692.91 944.88,1692.91 984.25,1692.91 1574.84,1692.91 1653.54,1692.91 1811.02,1692.91 1889.76,1692.91 1574.84,1771.65 1653.54,1771.65 1811.02,1771.65 1889.76,1771.65 1574.84,1850.39 1653.54,1850.39 1811.02,1850.39 1889.76,1850.39 1574.84,1929.13 1653.54,1929.13 1811.02,1929.13 1889.76,1929.13 826.77,2125.98 866.14,2125.98 905.51,2125.98 984.25,2125.98 826.77,2165.35 866.14,2165.35 905.51,2165.35 944.88,2165.35 984.25,2165.35 826.77,2204.72 866.14,2204.72 905.51,2204.72 944.88,2204.72 984.25,2204.72 826.77,2637.8 866.14,2637.8 905.51,2637.8 984.25,2637.8 826.77,2677.17 866.14,2677.17 905.51,2677.17 944.88,2677.17 984.25,2677.17 826.77,2716.54 866.14,2716.54 905.51,2716.54 944.88,2716.54 984.25,2716.54 826.77,3149.61 866.14,3149.61 905.51,3149.61 984.25,3149.61 826.77,3188.98 866.14,3188.98 905.51,3188.98 944.88,3188.98 984.25,3188.98 826.77,3228.35 866.14,3228.35 905.51,3228.35 944.88,3228.35 984.25,3228.35
WS28: D200.3 U200.25 | length 2781
  Top Layer w8: U200.25@2331.89,2569.37 2331.89,2488.11 v1(2360,2460) ; v1(2590,1540) 2590,1453.9 2655.69,1388.22 2655.69,1320.37 2666.22,1309.83 2666.22,1243.73 2730,1179.95 2730,970 2686,926 2686,837.8 2670,821.8 2670,177.98 2640,147.98 2640,95.98 2650.85,85.13 2684.87,85.13 v1(2700,70) 2698.35,68.35 D200.3@2666.02,68.35
  Bottom Layer w8: v1(2360,2460) 2360,2215.31 2362.36,2212.94 2362.36,1927.64 2590,1700 v1(2590,1540)
pads on no net: D200.1 D300.4 D300.6 J1.9 J1.10 J1.11 J1.12 J3.1 J3.S1 J3.S2 J4.11 J4.12 J201.GUIDE J300. J300.A8 J300.B8 J500. U200.26 U200.27 U200.30 U200.34 U200.38 U200.41 U401.5 U500.1 U500.2 U500.3

## Polygon pours and split planes (outlines as drawn)
GND on Top Layer "GND_L01_P065" (solid, pour order 65): 2860,2250 3040,2250 3040,2380 2860,2380 2860,2260
GND on Top Layer "GND_L01_P044" (solid, pour order 44): 1968.5,2007.87 2362.2,2007.87 2362.2,1299.21 1968.5,1299.21
GND on Top Layer "GND_L01_P060" (solid, pour order 60): 2677.17,2106.3 2460.63,2106.3 2362.2,2007.87 2362.2,1712.6 2677.17,1712.6
3V3 on Top Layer "3V3_L01_P061" (solid, pour order 61): 2480.31,2106.3 2480.31,2263.78 2086.61,2263.78 2066.93,2244.09 2066.93,2066.93 2440.94,2066.93
3V3 on Top Layer "3V3_L01_P063" (solid, pour order 63): 1940,3050 1960,3030 2010,3030 2010,3000 1960,3000 1910,2950 1700,2950 1700,3050
GND on Top Layer "GND_L01_P064" (solid, pour order 64): 2140,3060 2180,3100 2830,3100 2830,3140 1690,3140 1690,3060
GND on Top Layer "GND_L01_P059" (solid, pour order 59): 3110,1540 3320,1540 3320,1320 3110,1320
12V on Top Layer "12V_L01_P058" (solid, pour order 58): 2700,2110 3170,2110 3170,1750 3150,1730 2700,1730
NetC401_2 on Top Layer "NETC401_2_L01_P057" (solid, pour order 57): 3000,1430 3000,1510 3040,1550 3130,1550 3130,1720 2880,1720 2880,1430 2890,1430
VIN on Top Layer "VIN_L01_P056" (solid, pour order 56): 2910,920 2716.54,920 2716.54,250 2910,250
VIN on Top Layer "VIN_L01_P052" (solid, pour order 52): 2165.35,383.86 2165.35,590.55 2362.2,590.55 2362.2,383.86
VIN on Top Layer "VIN_L01_P051" (solid, pour order 51): 1653.54,383.86 1653.54,590.55 1850.39,590.55 1850.39,383.86
VIN on Top Layer "VIN_L01_P050" (solid, pour order 50): 816.93,708.66 1023.62,708.66 1023.62,511.81 816.93,511.81
VIN on Top Layer "VIN_L01_P049" (solid, pour order 49): 816.93,1220.47 1023.62,1220.47 1023.62,1023.62 816.93,1023.62
VIN on Top Layer "VIN_L01_P048" (solid, pour order 48): 816.93,1732.28 1023.62,1732.28 1023.62,1535.43 816.93,1535.43
VIN on Top Layer "VIN_L01_P047" (solid, pour order 47): 816.93,2244.09 1023.62,2244.09 1023.62,2047.24 816.93,2047.24
VIN on Top Layer "VIN_L01_P046" (solid, pour order 46): 816.93,2755.91 1023.62,2755.91 1023.62,2559.06 816.93,2559.06
VIN on Top Layer "VIN_L01_P045" (solid, pour order 45): 816.93,3267.72 1023.62,3267.72 1023.62,3070.87 816.93,3070.87
VIN on Top Layer "VIN_L01_P042" (solid, pour order 42): 1535.43,2007.87 1929.13,2007.87 1929.13,1299.21 1535.43,1299.21
CSN_B on Top Layer "CSN_B_L01_P041" (solid, pour order 41): 642.44,2508.82 932.44,2508.82 932.44,2278.82 642.44,2278.82
NetD1_B_1 on Top Layer "NETD1_B_1_L01_P025" (solid, pour order 25): 1062.44,2718.82 1062.44,2308.82 1162.44,2308.82 1172.44,2318.82 1172.44,2468.82 1212.44,2468.82 1222.44,2478.82 1222.44,2548.82 1152.44,2548.82 1152.44,2718.82
GND on Top Layer "GND_L01_P033" (solid, pour order 33): 722.44,2628.82 722.44,2728.82 602.44,2728.82 602.44,2628.82
CSN_C on Top Layer "CSN_C_L01_P040" (solid, pour order 40): 642.44,1997.01 932.44,1997.01 932.44,1767.01 642.44,1767.01
NetD1_C_1 on Top Layer "NETD1_C_1_L01_P024" (solid, pour order 24): 1062.44,2207.01 1062.44,1797.01 1162.44,1797.01 1172.44,1807.01 1172.44,1957.01 1212.44,1957.01 1222.44,1967.01 1222.44,2037.01 1152.44,2037.01 1152.44,2207.01
GND on Top Layer "GND_L01_P032" (solid, pour order 32): 722.44,2117.01 722.44,2217.01 602.44,2217.01 602.44,2117.01
CSN_D on Top Layer "CSN_D_L01_P039" (solid, pour order 39): 642.44,1485.2 932.44,1485.2 932.44,1255.2 642.44,1255.2
NetD1_D_1 on Top Layer "NETD1_D_1_L01_P023" (solid, pour order 23): 1062.44,1695.2 1062.44,1285.2 1162.44,1285.2 1172.44,1295.2 1172.44,1445.2 1212.44,1445.2 1222.44,1455.2 1222.44,1525.2 1152.44,1525.2 1152.44,1695.2
GND on Top Layer "GND_L01_P031" (solid, pour order 31): 722.44,1605.2 722.44,1705.2 602.44,1705.2 602.44,1605.2
CSN_E on Top Layer "CSN_E_L01_P038" (solid, pour order 38): 642.44,973.39 932.44,973.39 932.44,743.39 642.44,743.39
NetD1_E_1 on Top Layer "NETD1_E_1_L01_P022" (solid, pour order 22): 1062.44,1183.39 1062.44,773.39 1162.44,773.39 1172.44,783.39 1172.44,933.39 1212.44,933.39 1222.44,943.39 1222.44,1013.39 1152.44,1013.39 1152.44,1183.39
GND on Top Layer "GND_L01_P030" (solid, pour order 30): 722.44,1093.39 722.44,1193.39 602.44,1193.39 602.44,1093.39
CSN_F on Top Layer "CSN_F_L01_P037" (solid, pour order 37): 642.44,461.57 932.44,461.57 932.44,231.57 642.44,231.57
NetD1_F_1 on Top Layer "NETD1_F_1_L01_P021" (solid, pour order 21): 1062.44,671.57 1062.44,261.57 1162.44,261.57 1172.44,271.57 1172.44,421.57 1212.44,421.57 1222.44,431.57 1222.44,501.57 1152.44,501.57 1152.44,671.57
GND on Top Layer "GND_L01_P029" (solid, pour order 29): 722.44,581.57 722.44,681.57 602.44,681.57 602.44,581.57
CSN_G on Top Layer "CSN_G_L01_P036" (solid, pour order 36): 1900.63,207.48 1900.63,497.48 2130.63,497.48 2130.63,207.48
NetD1_G_1 on Top Layer "NETD1_G_1_L01_P020" (solid, pour order 20): 1690.63,627.48 2100.63,627.48 2100.63,727.48 2090.63,737.48 1940.63,737.48 1940.63,777.48 1930.63,787.48 1860.63,787.48 1860.63,717.48 1690.63,717.48
GND on Top Layer "GND_L01_P028" (solid, pour order 28): 1780.63,287.48 1680.63,287.48 1680.63,167.48 1780.63,167.48
CSN_H on Top Layer "CSN_H_L01_P035" (solid, pour order 35): 2412.44,209.37 2412.44,499.37 2642.44,499.37 2642.44,209.37
NetD1_H_1 on Top Layer "NETD1_H_1_L01_P019" (solid, pour order 19): 2202.44,629.37 2612.44,629.37 2612.44,729.37 2602.44,739.37 2452.44,739.37 2452.44,779.37 2442.44,789.37 2372.44,789.37 2372.44,719.37 2202.44,719.37
GND on Top Layer "GND_L01_P027" (solid, pour order 27): 2292.44,289.37 2192.44,289.37 2192.44,169.37 2292.44,169.37
GND on Top Layer "GND_L01_P026" (solid, pour order 26): 722.44,3140.63 722.44,3240.63 602.44,3240.63 602.44,3140.63
NetD1_A_1 on Top Layer "NETD1_A_1_L01_P018" (solid, pour order 18): 1062.44,3230.63 1062.44,2820.63 1162.44,2820.63 1172.44,2830.63 1172.44,2980.63 1212.44,2980.63 1222.44,2990.63 1222.44,3060.63 1152.44,3060.63 1152.44,3230.63
CSN_A on Top Layer "CSN_A_L01_P034" (solid, pour order 34): 642.44,3020.63 932.44,3020.63 932.44,2790.63 642.44,2790.63
GND on Int1 (GND) "GND_L02_P017" (solid, pour order 17): 0,3346.46 3346.46,3346.46 3346.46,0 0,0
GND on Bottom Layer "GND_L04_P066" (solid, pour order 66): 1023.62,472.44 1574.8,472.44 1574.8,250 2834.65,250 2834.65,433.07 3287.4,433.07 3287.4,0 1023.62,0
GND on Bottom Layer "GND_L04_P055" (solid, pour order 55): 2820,433.07 2820,708.66 3031.5,708.66 3031.5,1023.62 2440.94,1023.62 2440.94,1181.1 3346.46,1181.1 3346.46,433.07
GND on Bottom Layer "GND_L04_P054" (solid, remove dead copper, pour order 54): 1141.73,3307.09 1141.73,866.14 1456.69,866.14 1456.69,2047.24 1850.39,2047.24 1850.39,708.66 2519.69,708.66 2519.69,3110.24 1496.06,3110.24 1496.06,3307.09
VIN on Bottom Layer "VIN_L04_P053" (solid, remove dead copper, pour order 53): 3040,1023.62 2559.06,1023.62 2559.06,669.29 1692.91,669.29 1692.91,1062.99 1811.02,1181.1 1929.13,1181.1 1929.13,2007.87 1496.06,2007.87 1496.06,826.77 1102.36,826.77 1102.36,3346.46 590.55,3346.46 590.55,551.18 590.55,2125.98 157.48,2125.98 157.48,118.11 1023.62,118.11 1023.62,472.44 1574.8,472.44 1574.8,250 2834.65,250 2834.65,708.66 3040,708.66
VIN on Int2 (PWR) "VIN_L03_P062" (solid, remove dead copper, pour order 62): 2952.76,1181.1 2913.39,1220.47 2007.87,1220.47 1929.13,1299.21 1929.13,2007.87 787.4,2007.87 787.4,196.85 2952.76,196.85 1417.32,196.85 2952.76,196.85
3V3 on Int2 (PWR) "3V3_L03_P067" (solid, pour order 67): 1496.06,3149.61 1496.06,1614.17 3346.46,1614.17 3346.46,3149.61

## Other copper
Top Layer:
  text "REV A" at 2710,120 h50

## Silkscreen, mask and mechanical layers (free items; w line width, h text height)
Top Overlay:
  drawing of 18 lines, arcs and shapes, not listed
  text "RX" at 3190,3080 h39.37 r90
  text "TX" at 3190,2970 h39.37 r90
  text "SDA" at 340.02,2550.29 h39.37
  text "SCL" at 340.02,2490.29 h39.37
  text "3V3" at 340.02,2430.29 h39.37
  text "GND" at 340.02,2370.29 h39.37
  text "1W" at 340.02,2310 h39.37
  text "A" at 340.02,1900 h39.37
  text "B" at 340,1850 h39.37
  text "C" at 340.02,1790.26 h39.37
  text "D" at 340.02,1730 h39.37
  text "E" at 340,1670 h39.37
  text "CATHODE" at 409.53,1620.02 h50 r90
  text "GND" at 2250.02,1620.29 h39.37
  text "F" at 340.02,1610 h39.37
  text "G" at 340.02,1550.29 h39.37
  text "12V" at 2260.02,1520 h39.37
  text "H" at 340.02,1490 h39.37
  text "TACH" at 2250,1410.26 h39.37
  text "PWM" at 2250,1310 h39.37
  text "8ch 2A 60V LED Driver" at 559.11,405.5 h78.74 r90
  text "LEDBrick+" at 508.6,316.77 h200 r90
  text "60V" at 3238.87,160.41 h100 r90
  text "GND" at 2968.87,150.41 h100 r90
  text "© 2024 StackFoundry LLC" at 885.26,101.63 h78.74
Bottom Overlay:
  text "COMMON ANODE" at 349.53,1809.98 h50 r90
Mechanical 1:
  the board outline again, w10